# Altium PCB RK_NVR_DEMO1_RK3588_LP4XD200P232SD8_V21_20211228_final_lint.PcbDoc (part 17 of 29) (continued)
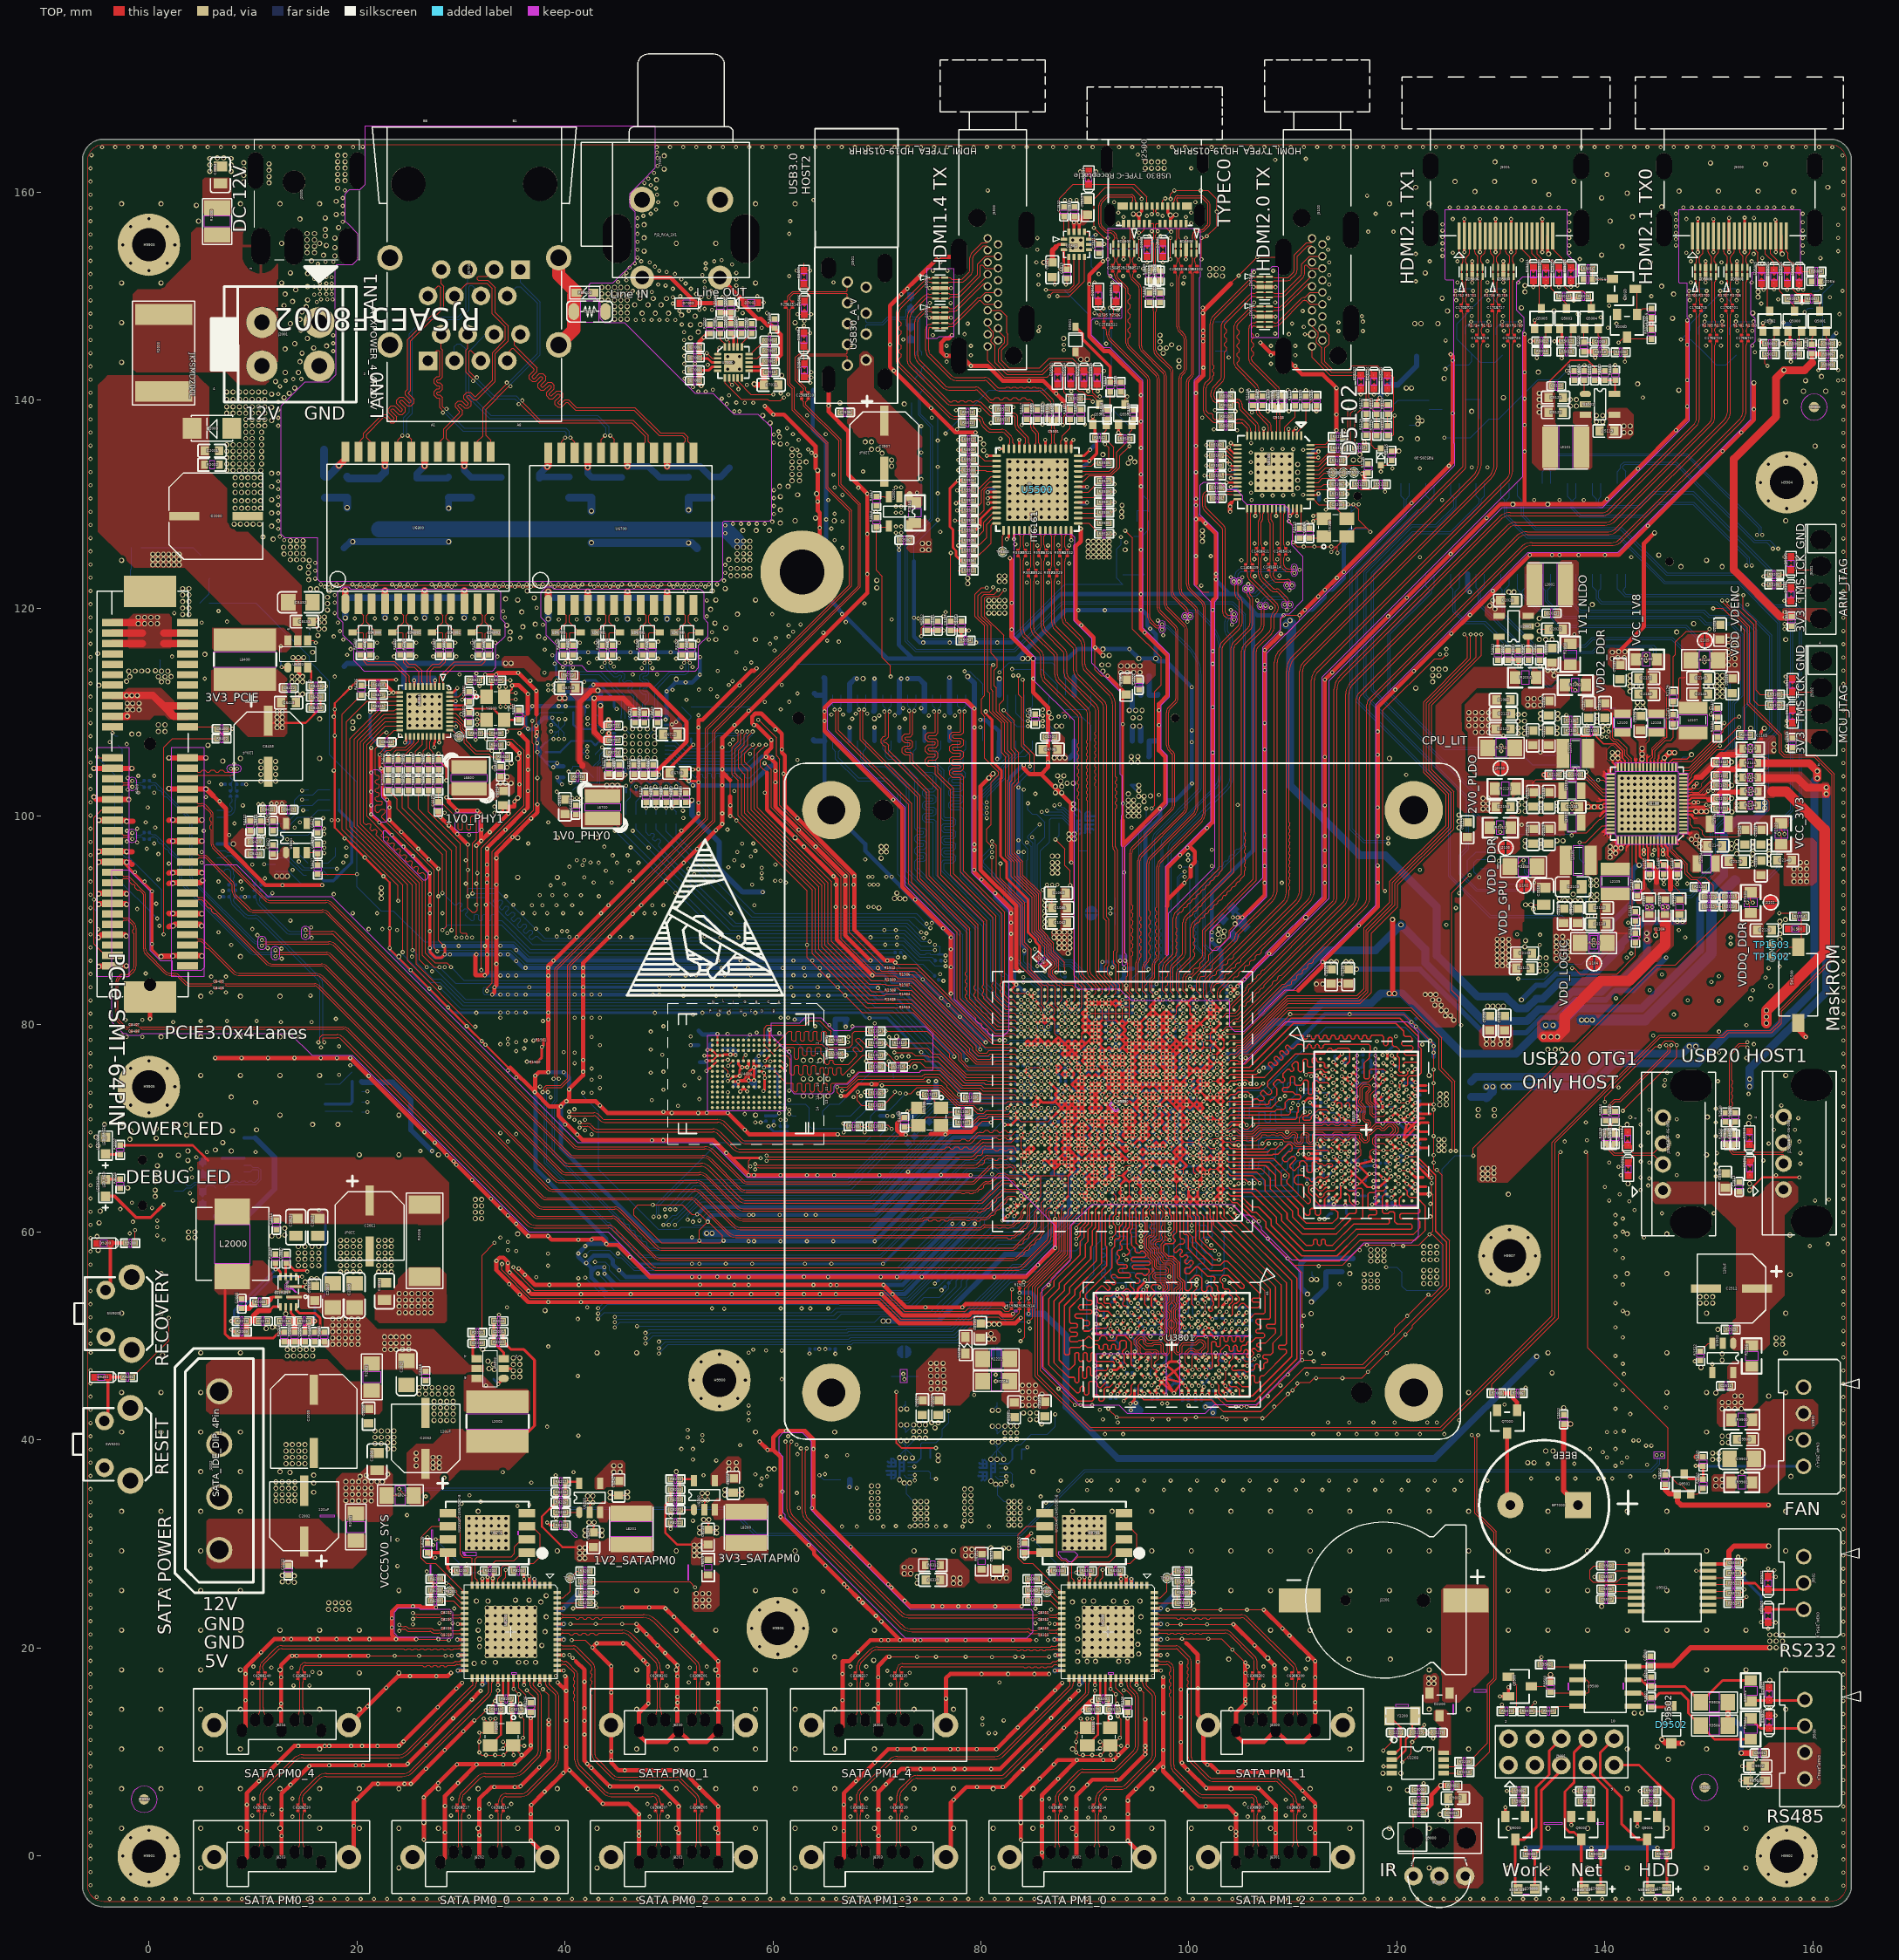
[diagram p0: TOP view]
## Nets (pads, with @x,y where several pads share a name; then routed paths per layer and width w, separated by ;. In a path a pad name is that pad's centre, name@x,y a point inside that pad or via, vN(x,y) a via of type N, cw(c..) or ccw(c..) an arc to the next point about the centre after c; other vN are vias at no path point) (continued)
HDMI3_TX_CEC: ED5505.1 J5500.13 R5538.2 | length 26.7
  TOP w0.102: J5500.13@80.646,148.633 81.927,148.633 82.491,148.07 82.491,146.444 82.592,146.342 82.592,145.428 81.983,144.818 81.983,143.802 82.694,143.091 85.64,143.091 86.555,144.006 88.79,144.006 89.399,143.396 90.573,143.396 ED5505.1@91.158,142.812 v4(91.838,142.812) ; v4(91.939,135.776) 92.288,135.427 R5538.2@92.288,133.947
  L4-S1 w0.102: v4(91.838,142.812) 91.939,142.71 v4(91.939,135.776)
  other v3: 91.939,135.776 91.838,142.812
  other v17: 91.939,135.776 91.838,142.812
HDMI3_TX_HPD: R5528.1 U5500.23 | length 14.7
  TOP w0.102: U5500.23@89.362,132.157 89.845,132.157 90.415,132.728 92.532,132.728 93.362,133.558 93.362,134.658 v4(94.276,135.573) ; R5528.1@89.545,140.145 90.459,140.145 v4(90.751,139.853)
  BOTTOM w0.102: v4(90.751,139.853) 91.069,139.535 92.244,139.535 94.276,137.503 v4(94.276,135.573)
  other v3: 94.276,135.573 90.751,139.853
HDMI3_TX_HPD_PORT: ED5502.1 J5500.19 R5528.2 R5533.1 | length 13.8
  TOP w0.102: J5500.19@80.646,145.168 80.646,143.814 82.232,142.228 86.402,142.228 86.986,142.812 ED5502.1@87.348,142.812 87.647,142.812 87.977,142.482 87.977,140.754 88.587,140.145 R5528.2@88.644,140.145 88.644,140.029 R5533.1@89.603,139.071
HDMI3_TX_SCL: Q5501.2 R5542.2 R5544.1 U5500.25 | length 8.7
  TOP w0.102: U5500.25@89.362,133.157 92.369,133.157 92.752,133.541 92.752,135.486 R5542.2@91.852,136.386 91.852,136.908 92.052,137.108 Q5501.2@92.052,137.671 92.143,137.761 R5544.1@92.143,138.171
HDMI3_TX_SCL_PORT: ED5504.1 J5500.15 Q5501.3 R5543.2 R5544.2 | length 20.7
  TOP w0.102: J5500.15@80.646,147.478 80.646,147.119 81.17,146.595 81.17,146.581 81.198,146.552 81.198,146.094 81.17,146.066 81.17,146.038 80.967,145.834 80.967,145.631 81.373,145.225 81.373,143.599 82.491,142.482 85.945,142.482 86.859,143.396 88.033,143.396 ED5504.1@88.618,142.812 89.069,142.812 89.298,142.583 89.298,140.958 89.399,140.856 89.806,140.856 90.212,140.45 90.72,140.45 91.402,139.767 Q5501.3@91.402,139.571 91.902,139.071 R5544.2@92.143,139.071 92.447,139.376 R5543.2@92.447,140.812
HDMI3_TX_SDA: Q5502.2 R5547.2 R5550.1 U5500.24 | length 9.4
  TOP w0.102: U5500.24@89.362,132.657 89.836,132.657 90.111,132.931 92.43,132.931 93.057,133.558 93.057,135.021 R5547.2@94.32,136.284 94.32,136.937 94.52,137.137 Q5502.2@94.52,137.671 94.52,138.008 R5550.1@94.683,138.171
HDMI3_TX_SDA_PORT: ED5503.1 J5500.16 Q5502.3 R5548.2 R5550.2 | length 21.8
  TOP w0.102: J5500.16@81.646,146.9 81.646,146.679 82.287,146.038 82.287,145.53 81.678,144.92 81.678,143.701 82.592,142.786 85.843,142.786 86.758,143.701 88.688,143.701 89.577,142.812 ED5503.1@89.888,142.812 90.187,142.812 90.517,142.482 90.517,141.161 90.771,140.907 90.771,140.704 91.127,140.348 v4(91.431,140.348) ; R5548.2@93.463,140.812 93.928,140.348 v4(94.073,140.348) 93.87,140.145 Q5502.3@93.87,139.571 94.37,139.071 R5550.2@94.683,139.071
  BOTTOM w0.102: v4(91.431,140.348) v4(94.073,140.348)
  other v3: 91.431,140.348 94.073,140.348
HDMI3_TXCN: C5501.2 L5500.4 R5522.1 U5500.32 | length 2.8
  TOP w0.076: U5500.32@87.187,135.332 87.187,135.773 87.077,135.884 87.077,136.728 cw(c87.454,136.728) C5501.2@87.187,136.995 cw(c87.454,137.262) 87.077,137.262 87.077,137.669 cw(c87.539,137.669) L5500.4@87.212,137.996
HDMI3_TXCN_PORT: ED5501.5 ED5501.6 J5500.12 L5500.3 R5522.2 | length 25.5
  TOP w0.076: J5500.12@81.646,149.21 80.334,149.21 79.951,149.594 79.838,149.594 77.323,147.079 76.928,147.079 76.778,146.929 ED5501.6@76.527,146.929 ED5501.5@75.652,146.929 75.3,146.929 75.228,147.001 75.12,147.001 ccw(c75.12,146.853) 74.972,146.853 74.972,144.818 ccw(c75.581,144.818) 75.15,144.387 77.182,142.355 ccw(c77.613,142.786) 77.613,142.177 80.374,142.177 cw(c80.374,141.483) 80.865,141.974 81.576,141.262 ccw(c81.821,141.508) 81.822,141.161 82.375,141.161 82.464,141.25 82.692,141.25 82.781,141.161 83.01,141.161 83.099,141.25 83.327,141.25 83.416,141.161 83.645,141.161 83.734,141.25 83.962,141.25 84.051,141.161 84.28,141.161 84.369,141.25 84.597,141.25 84.686,141.161 84.915,141.161 85.004,141.25 85.232,141.25 85.321,141.161 85.539,141.161 cw(c85.538,140.483) 86.017,140.963 86.033,140.947 86.848,140.132 86.874,140.106 cw(c86.505,139.738) 87.026,139.739 87.026,139.637 ccw(c87.626,139.637) 87.202,139.213 R5522.2@87.343,139.071
HDMI3_TXCP: C5501.1 L5500.2 R5519.1 U5500.33 | length 2.8
  TOP w0.076: L5500.2@86.662,137.996 cw(c86.335,137.669) 86.797,137.669 86.797,137.262 cw(c86.42,137.262) C5501.1@86.687,136.995 cw(c86.42,136.728) 86.797,136.728 86.797,135.884 86.687,135.773 U5500.33@86.687,135.332
HDMI3_TXCP_PORT: ED5501.4 ED5501.7 J5500.10 L5500.1 R5519.2 | length 25.6
  TOP w0.076: J5500.10@81.646,150.365 80.438,150.365 79.946,149.873 79.722,149.873 77.207,147.358 76.938,147.358 76.867,147.429 ED5501.7@76.527,147.429 ED5501.4@75.652,147.429 75.348,147.429 75.199,147.28 75.12,147.28 ccw(c75.12,146.853) 74.693,146.853 74.693,144.818 ccw(c75.581,144.817) 74.953,144.189 76.985,142.157 ccw(c77.613,142.786) 77.613,141.897 80.374,141.897 cw(c80.374,141.483) 80.667,141.776 81.379,141.065 ccw(c81.821,141.508) 81.822,140.881 85.539,140.881 cw(c85.538,140.483) 85.82,140.765 85.837,140.748 86.65,139.935 86.676,139.909 cw(c86.505,139.738) 86.747,139.738 86.747,139.637 cw(c86.147,139.637) 86.571,139.213 R5519.2@86.429,139.071
HDMI_TX0_REXT: R1708.1 U1000.AM2 | length 0.9
  TOP w0.089: U1000.AM2@103.691,82.006 v4(104.016,82.331)
  BOTTOM w0.089: R1708.1@103.598,82.491 103.856,82.491 v4(104.016,82.331)
  other v3: 104.016,82.331
HDMI_TX1_REXT: R1717.1 U1000.AN1 | length 0.9
  TOP w0.089: U1000.AN1@104.341,82.656 v4(104.666,82.981)
  BOTTOM w0.089: v4(104.666,82.981) 104.683,82.999 R1717.1@105.071,82.999
  other v3: 104.666,82.981
HDMITX0_CEC_M0: R5011.1 U1000.AK24 | length 159.9
  TOP w0.102: v4(89.065,81.031) U1000.AK24@89.391,80.706 ; R5011.1@155.396,144.412 155.396,143.541 v4(155.643,143.294)
  L4-S1 w0.102: v4(152.087,87.719) 151.68,88.126 151.68,88.43 152.29,89.04 152.29,92.291 153.509,93.51 153.509,98.065 154.525,99.081 154.525,109.454 153.915,110.064 153.915,119.418 152.188,121.146 152.188,132.728 156.049,136.589 156.049,142.888 v4(155.643,143.294)
  L6-S2 w0.102: v4(85.64,99.2) 86.25,99.2 86.351,99.302 98.221,99.302 98.805,99.886 113.842,99.886 116.814,102.858 123.386,102.858 124.451,101.792 124.451,98.845 130.156,93.14 130.156,93.137 130.494,92.799 134.527,92.799 135.018,92.308 135.018,91.8 135.746,91.072 139.201,91.072 143.265,87.008 151.375,87.008 v4(152.087,87.719)
  BOTTOM w0.089: v4(89.065,81.031) 89.315,81.031 89.704,81.42 89.704,83.274 89.425,83.554 89.425,84.081
  BOTTOM w0.102: v4(85.64,99.2) 84.493,98.053 84.493,97.909 85.031,97.371 85.031,92.698 85.335,92.393 85.335,88.938 86.148,88.126 86.148,87.414 87.774,85.789 88.587,85.789 89.425,84.951 89.425,84.081
  other v3: 89.065,81.031 152.087,87.719 85.64,99.2 155.643,143.294
  other v12: 152.087,87.719 85.64,99.2
  other v17: 152.087,87.719 155.643,143.294
HDMITX0_HPDIN_M0: Q5006.3 R5000.2 U1000.B26 | length 198.5
  TOP w0.102: v4(83.811,49.518) 84.218,49.924 84.218,54.623 87.723,58.128 87.723,61.735 87.78,61.792 87.78,62.195 U1000.B26@88.091,62.506
  L4-S1 w0.102: v4(142.435,42.507) 142.435,51.753 151.375,60.694 151.375,84.964 152.747,86.335 152.747,92.139 154.728,94.12 154.728,98.692 154.931,98.895 154.931,109.766 154.322,110.376 154.322,122.313 153.204,123.431 153.204,132.118 161.84,140.754 161.84,148.07 161.434,148.476 v4(159.199,148.476)
  L6-S2 w0.102: v4(83.811,49.518) 84.827,49.518 90.212,44.133 90.212,42.609 91.479,41.342 126.232,41.342 127.398,42.507 v4(142.435,42.507)
  BOTTOM w0.102: R5000.2@157.776,148.215 158.937,148.215 v4(159.199,148.476) 159.587,148.865 Q5006.3@160.011,148.865
  other v3: 142.435,42.507 83.811,49.518 159.199,148.476
  other v12: 142.435,42.507 83.811,49.518
  other v17: 142.435,42.507 159.199,148.476
HDMITX0_SCL_M0: R5003.1 U1000.AJ28 | length 154.3
  TOP w0.102: v4(80.56,121.958) 80.079,121.958 79.443,121.322 79.443,119.215 80.357,118.301 80.357,111.595 80.052,111.29 80.052,109.868 80.357,109.563 80.357,105.55 81.678,104.229 81.678,103.975 80.967,103.264 80.967,99.2 80.56,98.794 80.56,97.574 v4(81.068,97.066) ; v4(86.466,79.731) U1000.AJ28@86.791,80.056 ; R5003.1@157.795,144.393 157.795,143.784 v4(157.878,143.701)
  L4-S1 w0.102: v4(153.712,120.333) 153.915,120.536 153.915,121.857 152.595,123.178 152.595,132.525 157.878,137.808 v4(157.878,143.701)
  L6-S2 w0.102: v4(80.56,121.958) 81.17,121.349 93.159,121.349 93.667,120.841 96.207,120.841 100.677,116.37 107.891,116.37 108.5,115.761 122.927,115.761 123.639,115.05 127.804,115.05 129.277,116.523 129.785,116.523 134.408,121.146 149.75,121.146 150.766,120.13 153.509,120.13 v4(153.712,120.333)
  BOTTOM w0.089: 85.418,84.081 85.897,83.602 85.897,81.409 86.141,81.164 86.141,80.208 86.466,79.883 v4(86.466,79.731)
  BOTTOM w0.102: v4(81.068,97.066) 80.052,96.05 80.052,95.339 82.186,93.206 82.186,92.088 83.303,90.97 83.303,86.195 85.418,84.081
  other v3: 86.466,79.731 81.068,97.066 153.712,120.333 80.56,121.958 157.878,143.701
  other v12: 153.712,120.333 80.56,121.958
  other v17: 153.712,120.333 157.878,143.701
HDMITX0_SDA_M0: R5008.1 U1000.AJ25 | length 160.1
  TOP w0.102: U1000.AJ25@88.74,80.056 v4(89.065,80.381) ; v4(160.519,142.888) 160.984,143.352 R5008.1@160.984,143.396
  L4-S1 w0.102: v4(152.087,88.329) 152.493,88.735 152.493,92.207 153.712,93.426 153.712,97.981 154.728,98.997 154.728,109.538 154.119,110.148 154.119,122.085 152.899,123.304 152.899,132.245 160.201,139.546 160.201,142.569 v4(160.519,142.888)
  L6-S2 w0.102: v4(84.929,97.981) 84.929,98.997 85.539,99.606 98.239,99.606 98.721,100.089 113.758,100.089 116.73,103.061 123.47,103.061 124.655,101.876 124.655,98.93 130.36,93.225 130.36,93.221 130.578,93.002 134.611,93.002 135.221,92.393 135.221,91.885 135.831,91.275 139.285,91.275 143.349,87.211 150.969,87.211 v4(152.087,88.329)
  BOTTOM w0.089: v4(89.065,80.381) 89.907,81.223 89.907,83.528 89.679,83.757 89.679,84.081
  BOTTOM w0.102: v4(84.929,97.981) 85.234,97.676 85.234,92.799 85.539,92.494 85.539,89.04 86.397,88.182 86.397,87.471 87.875,85.992 88.688,85.992 89.679,85.001 89.679,84.081
  other v3: 89.065,80.381 152.087,88.329 84.929,97.981 160.519,142.888
  other v12: 152.087,88.329 84.929,97.981
  other v17: 152.087,88.329 160.519,142.888
HDMITX1_CEC_M2: R1912.2 R5023.1 | length 106.3
  TOP w0.102: v4(133.445,144.054) R5023.1@133.445,144.688
  L4-S1 w0.102: v4(120.895,103.975) 122.927,106.007 122.927,122.06 129.113,128.245 129.113,130.404 135.932,137.223 135.932,141.567 v4(133.445,144.054)
  L6-S2 w0.102: v4(84.116,102.553) 85.031,101.638 92.041,101.638 93.768,103.366 99.356,103.366 100.169,104.178 120.692,104.178 v4(120.895,103.975)
  BOTTOM w0.102: v4(84.116,102.553) 84.015,102.451 84.015,97.371 84.523,96.863 84.523,95.847 84.421,95.746 84.421,92.698 84.929,92.19 84.929,88.735 85.742,87.922 85.742,87.211 87.469,85.484 87.469,85.382 87.672,85.179 87.672,84.671 87.828,84.515 R1912.2@88.079,84.515
  other v3: 84.116,102.553 120.895,103.975 133.445,144.054
  other v12: 84.116,102.553 120.895,103.975
  other v17: 120.895,103.975 133.445,144.054
HDMITX1_CEC_M2SOC: R1912.1 U1000.AH26 | length 5.6
  TOP w0.102: U1000.AH26@88.091,79.405 v4(88.415,79.731)
  BOTTOM w0.089: R1912.1@88.079,84.015 88.079,83.35 88.74,82.689 88.74,81.546 88.55,81.356 88.281,81.356 88.091,81.166 88.091,80.056 v4(88.415,79.731)
  other v3: 88.415,79.731
HDMITX1_HPDIN_M0: Q5008.3 R5014.2 U1000.C24 | length 226.1
  TOP w0.102: U1000.C24@89.391,63.156 v4(89.716,62.831) ; v4(141.317,145.53) 141.842,146.055 Q5008.3@142.13,146.055 142.293,145.892 R5014.2@144.467,145.892
  L4-S1 w0.102: v4(47.743,49.797) 48.15,50.203 48.15,59.373 46.829,60.694 46.829,84.062 58.767,96 58.767,103.823 60.342,105.398 60.342,107.43 60.647,107.734 60.647,109.258 60.24,109.665 60.24,110.842 65.667,116.269 66.438,116.269 73.855,123.686 73.855,127.038 74.972,128.156 74.972,138.011 v4(75.277,138.316)
  L6-S2 w0.102: v4(75.277,138.316) 76.699,139.738 85.234,139.738 85.539,140.043 89.806,140.043 90.111,140.348 90.822,140.348 91.431,139.738 98.035,139.738 99.864,137.91 101.693,137.91 101.896,138.113 101.896,138.926 102.709,139.738 118.863,139.738 119.879,140.754 133.189,140.754 136.161,143.726 138.65,143.726 138.777,143.599 139.691,143.599 141.317,145.225 v4(141.317,145.53)
  BOTTOM w0.089: 86.91,58.865 87.164,59.119 ; 89.044,60.871 89.526,60.871 89.933,61.278 89.933,62.421 89.716,62.638 v4(89.716,62.831)
  BOTTOM w0.102: v4(47.743,49.797) 48.277,50.33 67.175,50.33 67.289,50.445 77.304,50.445 83.286,56.426 84.472,56.426 86.91,58.865 ; 87.164,59.119 88.917,60.871 89.044,60.871
  other v3: 47.743,49.797 89.716,62.831 75.277,138.316 141.317,145.53
  other v12: 75.277,138.316 141.317,145.53
  other v17: 47.743,49.797 75.277,138.316
HDMITX1_SCL_M1: R5015.1 U1000.AG26 | length 128.6
  TOP w0.102: v4(82.287,121.755) 81.678,121.146 80.56,121.146 80.357,120.942 80.357,119.215 82.186,117.386 82.186,111.189 81.779,110.782 81.779,110.071 82.897,108.954 82.897,106.414 83.303,106.007 83.303,103.366 82.999,103.061 82.999,96.372 83.811,95.56 83.811,94.239 85.542,92.508 85.542,89.094 86.199,88.437 86.199,88.278 86.783,87.694 86.783,86.881 87.469,86.195 87.469,85.179 v4(87.266,84.976) ; U1000.AG26@88.091,78.756 v4(88.415,79.081) ; v4(135.849,144.024) R5015.1@135.849,144.647
  L4-S1 w0.102: v4(124.147,115.558) 123.232,116.472 123.232,121.958 129.328,128.054 129.328,130.188 136.237,137.097 136.237,141.872 135.849,142.26 v4(135.849,144.024)
  L6-S2 w0.089: 87.441,83.7 87.265,83.524 87.265,80.444 87.652,80.057 87.93,80.057 88.091,79.896 88.091,79.579 88.415,79.254 v4(88.415,79.081)
  L6-S2 w0.102: v4(82.287,121.755) 82.389,121.654 90.314,121.654 90.517,121.857 95.503,121.857 100.684,116.675 108.017,116.675 108.627,116.066 123.639,116.066 v4(124.147,115.558) ; v4(87.266,84.976) 87.441,84.801 87.441,83.7
  other v3: 88.415,79.081 87.266,84.976 124.147,115.558 82.287,121.755 135.849,144.024
  other v12: 88.415,79.081 87.266,84.976 124.147,115.558 82.287,121.755
  other v17: 124.147,115.558 135.849,144.024
HDMITX1_SDA_M1: R5020.1 U1000.AH25 | length 103.8
  TOP w0.102: U1000.AH25@88.74,79.405 v4(89.065,79.081) ; v4(118.863,92.799) 118.66,93.002 118.66,110.173 123.639,115.151 124.35,115.151 v4(124.756,115.558) ; v4(141.927,143.701) 141.97,143.744 R5020.1@141.97,144.615
  L4-S1 w0.102: v4(124.756,115.558) 123.791,116.523 123.791,122.111 129.633,127.953 129.633,130.086 139.183,139.637 139.183,140.958 v4(141.927,143.701)
  L6-S2 w0.089: 88.756,81.552 88.756,80.253 88.953,80.056 89.2,80.056 89.391,79.865 89.391,79.406 v4(89.065,79.081) ; 88.756,81.553 88.756,84.081
  L6-S2 w0.102: 88.756,84.081 88.756,85.958 95.826,93.028 118.635,93.028 v4(118.863,92.799)
  other v3: 89.065,79.081 118.863,92.799 124.756,115.558 141.927,143.701
  other v12: 89.065,79.081 118.863,92.799
  other v17: 124.756,115.558 141.927,143.701
HOST0_REXT: R1403.1 U1000.AG9 | length 0.9
  TOP w0.102: U1000.AG9@99.141,78.756 v4(99.466,79.081)
  BOTTOM w0.089: v4(99.466,79.081) 99.491,79.056 R1403.1@99.919,79.056
  other v3: 99.466,79.081
HOST1_REXT: R1404.1 U1000.AH9 | length 0.9
  TOP w0.102: U1000.AH9@99.141,79.405 v4(99.466,79.73)
  BOTTOM w0.089: v4(99.466,79.73) 99.491,79.755 R1404.1@99.919,79.755
  other v3: 99.466,79.73
I2C0_SCL_M2: R1118.2 U1000.W30 U2200.A3 U2201.A3 | length 81.9
  TOP w0.102: v4(85.166,73.881) U1000.W30@85.491,73.556
  L4-S1 w0.102: v4(61.231,70.803) 61.739,70.295 61.739,42.779 65.184,39.334 v4(65.184,38.443)
  L6-S2 w0.089: 82.09,72.925 82.199,72.925 82.219,72.906 84.65,72.906 84.841,73.097 84.841,73.556 v4(85.166,73.881)
  L6-S2 w0.102: v4(61.231,70.803) 61.256,70.777 61.891,70.777 63.542,72.428 69.232,72.428 69.791,72.987 75.988,72.987 76.699,72.276 78.528,72.276 79.177,72.925 82.09,72.925 ; v4(65.184,38.443) 65.488,38.138 68.47,38.138 69.181,38.85 73.651,38.85 73.855,38.646 73.855,38.138 73.651,37.935 73.651,37.5 v4(73.601,37.449) 73.826,37.224 82.291,37.224 v4(82.389,37.322)
  BOTTOM w0.102: v4(61.231,70.803) 61.358,70.676 R1118.2@61.358,70.164 ; U2201.A3@72.984,37.449 v4(73.601,37.449) ; U2200.A3@81.773,37.322 v4(82.389,37.322)
  other v3: 82.389,37.322 73.601,37.449 65.184,38.443 61.231,70.803 85.166,73.881
  other v12: 82.389,37.322 73.601,37.449 65.184,38.443 61.231,70.803 85.166,73.881
  other v17: 65.184,38.443 61.231,70.803
I2C0_SDA_M2: R1117.2 U1000.W29 U2200.B1 U2201.B1 | length 85.8
  TOP w0.102: v4(85.816,73.881) U1000.W29@86.141,73.556
  L4-S1 w0.102: v4(60.723,70.803) 61.485,70.041 61.485,42.674 64.831,39.327 64.831,36.916 v4(65.015,36.732)
  L6-S2 w0.089: 82.09,72.722 82.133,72.722 82.14,72.716 85.11,72.716 85.491,73.097 85.491,73.556 v4(85.816,73.881)
  L6-S2 w0.102: v4(60.723,70.803) 61.104,70.422 61.942,70.422 63.745,72.225 69.638,72.225 70.197,72.784 75.683,72.784 76.496,71.971 78.731,71.971 79.482,72.722 82.09,72.722 ; v4(65.015,36.732) 65.406,37.122 71.924,37.122 72.737,36.31 73.474,36.31 v4(73.651,36.132) 74.693,36.132 75.379,36.818 81.627,36.818 v4(82.44,36.005)
  BOTTOM w0.102: R1117.2@60.723,70.164 v4(60.723,70.803) ; U2201.B1@72.584,36.649 72.857,36.377 73.406,36.377 v4(73.651,36.132) ; U2200.B1@81.373,36.522 81.645,36.25 82.195,36.25 v4(82.44,36.005)
  other v3: 82.44,36.005 73.651,36.132 65.015,36.732 60.723,70.803 85.816,73.881
  other v12: 82.44,36.005 73.651,36.132 65.015,36.732 60.723,70.803 85.816,73.881
  other v17: 65.015,36.732 60.723,70.803
I2C2_SCL_M0: R1112.2 U1000.T28 U2202.A3 | length 85.8
  TOP w0.102: U1000.T28@86.791,71.606 87.015,71.83 v4(87.117,71.932)
  L4-S1 w0.102: v4(60.088,70.269) 59.961,70.396 59.961,73.089 60.672,73.8 60.672,76.823 60.037,77.458 60.037,84.493 60.215,84.671 60.215,90.031 60.723,90.539 v4(60.723,93.79)
  L6-S2 w0.089: 82.09,72.308 82.199,72.308 82.219,72.327 86.646,72.327 87.04,71.932 v4(87.117,71.932)
  L6-S2 w0.102: v4(60.088,70.269) 60.342,70.015 62.348,70.015 64.152,71.819 69.994,71.819 70.553,72.378 75.074,72.378 76.09,71.362 78.935,71.362 79.881,72.308 82.09,72.308 ; v4(60.723,93.79) 62.31,95.377 70.641,95.377 73.956,98.692 83.303,98.692 84.624,100.013 85.437,100.013 v4(85.843,100.419)
  BOTTOM w0.102: v4(60.088,70.269) R1112.2@60.088,70.68 ; v4(85.843,100.419) 86.148,100.114 87.798,100.114 88.735,99.178 U2202.A3@88.847,99.178
  other v3: 60.088,70.269 87.117,71.932 60.723,93.79 85.843,100.419
  other v12: 60.088,70.269 87.117,71.932 60.723,93.79 85.843,100.419
  other v17: 60.088,70.269 60.723,93.79
I2C2_SDA_M0: R1111.2 U1000.T31 U2202.B1 | length 86.9
  TOP w0.102: v4(84.517,71.932) 84.842,71.607 U1000.T31@84.841,71.606
  L4-S1 w0.102: v4(58.818,70.549) 59.707,71.438 59.707,73.194 60.418,73.905 60.418,76.67 59.123,77.966 59.123,89.344 60.491,90.713 60.491,93.513 v4(60.215,93.79)
  L6-S2 w0.089: 82.09,71.606 84.191,71.606 v4(84.517,71.932)
  L6-S2 w0.102: v4(58.818,70.549) 58.818,70.422 59.427,69.812 62.552,69.812 64.304,71.565 70.121,71.565 70.73,72.174 74.769,72.174 75.887,71.057 80.027,71.057 80.576,71.606 82.09,71.606 ; v4(60.215,93.79) 62.072,95.646 67.507,95.646 70.146,98.286 72.229,98.286 73.296,99.352 83.151,99.352 84.319,100.521 84.929,100.521 85.843,101.435 87.266,101.435 v4(87.571,101.13)
  BOTTOM w0.102: v4(58.818,70.549) 58.949,70.68 R1111.2@59.326,70.68 ; v4(87.571,101.13) 87.571,101.029 87.774,100.826 88.002,100.826 88.561,100.267 88.958,100.267 U2202.B1@89.247,99.978
  other v3: 58.818,70.549 84.517,71.932 60.215,93.79 87.571,101.13
  other v12: 58.818,70.549 84.517,71.932 60.215,93.79 87.571,101.13
  other v17: 58.818,70.549 60.215,93.79
I2C3_SCL_M0: R1500.2 U1000.G27 U7000.1 | length 150.8
  TOP w0.102: v4(36.339,76.391) 36.39,76.34 R1500.2@36.825,76.34 ; U7000.1@54.701,144.425 54.701,144.868 v4(54.855,145.022) ; U1000.G27@87.441,65.756 v4(87.724,66.039)
  L4-S1 w0.102: v4(36.339,76.391) 37.355,77.407 37.355,87.186 44.289,94.12 47.718,94.12 54.246,100.648 54.246,109.125 62.914,117.793 63.752,117.793 67.327,121.368 67.327,132.339 59.217,140.45 56.583,140.45 55.059,141.974 55.059,144.818 v4(54.855,145.022)
  L6-S2 w0.089: 82.09,63.806 84.65,63.806 84.841,63.997 84.841,64.265 85.032,64.456 85.3,64.456 85.52,64.676 85.52,65.106 85.908,65.494 86.338,65.494 86.883,66.039 v4(87.724,66.039)
  L6-S2 w0.102: v4(36.339,76.391) 36.579,76.151 40.516,76.151 49.42,67.247 56.151,67.247 56.862,67.958 60.266,67.958 64.417,63.806 82.09,63.806
  other v3: 87.724,66.039 36.339,76.391 54.855,145.022
  other v12: 87.724,66.039 36.339,76.391
  other v17: 36.339,76.391 54.855,145.022
I2C3_SDA_M0: R1501.2 U1000.G29 U7000.19 | length 146.6
  TOP w0.102: v4(36.974,78.423) 37.025,78.474 R1501.2@37.435,78.474 ; v4(55.567,145.834) 55.802,145.599 U7000.19@55.802,145.125 ; U1000.G29@86.141,65.756 v4(86.465,66.081)
  L4-S1 w0.102: v4(36.974,78.423) 36.974,87.191 44.156,94.374 47.613,94.374 53.992,100.753 53.992,109.23 62.808,118.047 63.647,118.047 67.073,121.473 67.073,132.234 59.162,140.145 56.6,140.145 54.855,141.889 54.855,143.958 54.401,144.412 54.401,145.177 55.059,145.834 v4(55.567,145.834)
  L6-S2 w0.089: 82.09,66.891 82.491,66.891 83.659,65.723 86.108,65.723 v4(86.465,66.081)
  L6-S2 w0.102: v4(36.974,78.423) 40.4,78.423 50.052,68.771 71.061,68.771 72.94,66.891 82.09,66.891
  other v3: 86.465,66.081 36.974,78.423 55.567,145.834
  other v12: 86.465,66.081 36.974,78.423
  other v17: 36.974,78.423 55.567,145.834
I2C4_SCL_M3_MIPI: R1913.2 U1000.A27 U4700.48 | length 129.8
  TOP w0.102: R1913.2@83.71,55.178 v4(84.116,55.177) 84.142,55.203 84.493,55.203 87.52,58.23 87.52,61.456 87.475,61.5 87.475,61.822 U1000.A27@87.441,61.856
  L4-S1 w0.102: v4(49.039,49.467) 48.658,49.848 48.658,59.576 47.439,60.795 47.439,83.858 58.107,94.526 v4(58.919,94.526)
  L6-S2 w0.102: v4(58.919,94.526) 59.935,94.526 61.739,96.33 67.378,96.33 69.943,98.895 71.597,98.895 73.019,100.318 v4(80.56,100.318)
  BOTTOM w0.102: v4(49.039,49.467) 49.293,49.721 67.327,49.721 67.497,49.891 77.555,49.891 82.867,55.203 84.091,55.203 v4(84.116,55.177) ; v4(80.56,100.318) 79.951,100.927 79.951,101.842 81.983,103.874 81.983,104.788 83.37,106.175 U4700.48@83.37,107.236
  other v3: 49.039,49.467 84.116,55.177 58.919,94.526 80.56,100.318
  other v12: 58.919,94.526 80.56,100.318
  other v17: 49.039,49.467 58.919,94.526
I2C4_SDA_M3_MIPI: R1914.2 U1000.A26 U4700.46 | length 131.9
  TOP w0.102: R1914.2@84.599,53.146 v4(84.599,53.658) 84.599,54.7 87.926,58.027 87.926,61.65 88.091,61.815 U1000.A26@88.091,61.856
  L4-S1 w0.102: v4(49.039,48.832) 49.471,49.264 49.471,49.924 48.963,50.432 48.963,59.576 47.743,60.795 47.743,83.757 58.005,94.018 v4(58.919,94.018)
  L6-S2 w0.102: v4(58.919,94.018) 59.834,94.018 61.84,96.025 67.479,96.025 70.045,98.59 71.823,98.59 73.042,99.81 v4(80.56,99.81)
  BOTTOM w0.102: v4(49.039,48.832) 49.674,49.467 67.454,49.467 67.624,49.637 77.733,49.637 81.373,53.277 84.218,53.277 v4(84.599,53.658) ; v4(80.56,99.81) 79.747,100.622 79.747,101.943 81.678,103.874 81.678,104.89 82.57,105.781 U4700.46@82.57,107.236
  other v3: 49.039,48.832 84.599,53.658 58.919,94.018 80.56,99.81
  other v12: 58.919,94.018 80.56,99.81
  other v17: 49.039,48.832 58.919,94.018
I2C5_SCL_M3_MIPI: R1916.2 U1000.E26 U4700.47 | length 140.8
  TOP w0.102: v4(87.766,64.131) U1000.E26@88.091,64.456
  L4-S1 w0.102: v4(43.184,51.664) 46.626,55.106 46.626,58.458 45,60.084 45,84.874 55.871,95.746 v4(56.278,95.746)
  L6-S2 w0.102: v4(56.278,95.746) 56.151,95.873 56.151,97.854 63.593,105.296 79.036,105.296 82.897,109.157 v4(84.523,109.157)
  BOTTOM w0.089: 85.126,61.424 86.034,62.332 86.034,62.857 86.332,63.156 86.6,63.156 86.79,63.346 86.79,63.614 86.983,63.806 87.25,63.806 87.44,63.997 87.44,64.05 87.521,64.131 v4(87.766,64.131)
  BOTTOM w0.102: v4(43.184,51.664) 43.781,52.261 65.633,52.261 66.057,52.685 73.466,52.685 74.515,53.734 76.039,53.734 76.919,54.614 76.919,55.087 R1916.2@76.902,55.105 81.424,59.627 83.71,59.627 85.107,61.024 85.107,61.405 85.126,61.424 ; U4700.47@83.37,111.636 83.37,109.878 84.091,109.157 v4(84.523,109.157)
  other v3: 43.184,51.664 87.766,64.131 56.278,95.746 84.523,109.157
  other v12: 56.278,95.746 84.523,109.157
  other v17: 43.184,51.664 56.278,95.746
I2C5_SDA_M3_MIPI: R1915.2 U1000.E27 U4700.45 | length 138.7
  TOP w0.102: v4(87.116,64.131) U1000.E27@87.441,64.456
  L4-S1 w0.102: v4(43.184,52.68) 45.61,55.106 45.61,58.662 44.391,59.881 44.391,85.078 55.871,96.558 v4(56.583,96.558)
  L6-S2 w0.102: v4(56.583,96.558) 56.405,96.736 56.405,97.701 63.695,104.991 79.08,104.991 82.738,108.649 v4(84.523,108.649)
  BOTTOM w0.089: 84.364,61.424 85.513,62.573 85.513,62.987 86.332,63.806 86.6,63.806 86.925,64.131 v4(87.116,64.131)
  BOTTOM w0.102: v4(43.184,52.68) 43.781,53.277 66.666,53.277 66.768,53.175 73.067,53.175 75.632,55.74 R1915.2@76.267,55.74 80.916,60.389 83.507,60.389 84.364,61.246 84.364,61.424 ; U4700.45@82.57,111.636 82.57,109.535 83.456,108.649 v4(84.523,108.649)
  other v3: 43.184,52.68 87.116,64.131 56.583,96.558 84.523,108.649
  other v12: 56.583,96.558 84.523,108.649
  other v17: 43.184,52.68 56.583,96.558
I2C6_SCL_M0: R1115.2 R2209.2 R5502.2 U1000.W31 U2503.6 | length 244.3
  TOP w0.102: v4(77.614,130.086) 77.88,130.353 R5502.2@78.383,130.353 ; v4(84.516,73.881) U1000.W31@84.841,73.556 ; v4(86.555,150) 86.961,150.406 88.587,150.406 89.446,151.266 U2503.6@89.446,153.768 ; R2209.2@126.93,9.064 128.719,10.852 128.719,16.498 129.328,17.107 129.328,31.128 127.499,32.957 127.499,40.17 v4(127.195,40.475)
  L4-S1 w0.102: v4(64.457,48.756) 67.311,51.61 v4(67.311,75.08) 66.133,76.258 66.133,82.842 65.727,83.249 65.727,84.163 66.133,84.57 66.133,88.634 64.914,89.853 64.914,96.838 62.882,98.87 62.882,107.454 63.898,108.47 63.898,112.331 76.395,124.828 76.395,126.25 77.906,127.762 77.906,128.575 77.309,129.172 77.309,129.782 v4(77.614,130.086) 76.903,130.798 76.903,132.626 77.309,133.033 77.309,137.402 78.427,138.519 78.427,140.068 80.84,142.482 84.091,142.482 86.555,144.945 v4(86.555,150)
  L6-S2 w0.089: 82.09,74.205 84.191,74.205 v4(84.516,73.881)
  L6-S2 w0.102: v4(64.457,48.756) 64.888,48.324 65.244,48.324 65.625,48.705 66.235,48.705 66.743,48.197 85.005,48.197 88.155,45.047 88.155,43.142 91.33,39.967 126.687,39.967 v4(127.195,40.475) ; v4(67.311,75.08) 67.8,75.08 68.19,74.689 74.159,74.689 74.388,74.918 76.191,74.918 76.904,74.205 82.09,74.205
  BOTTOM w0.102: R1115.2@64.046,48.756 v4(64.457,48.756)
  other v3: 127.195,40.475 64.457,48.756 84.516,73.881 67.311,75.08 77.614,130.086 86.555,150
  other v12: 127.195,40.475 64.457,48.756 84.516,73.881 67.311,75.08
  other v17: 64.457,48.756 67.311,75.08 77.614,130.086 86.555,150
I2C6_SDA_M0: R1116.2 R2210.2 R5501.2 U1000.V31 U2503.7 | length 246.2
  TOP w0.102: v4(77.715,129.388) R5501.2@78.383,129.388 ; v4(84.516,73.231) U1000.V31@84.841,72.906 ; v4(87.367,150) 88.485,150 89.946,151.461 U2503.7@89.946,153.768 ; R2210.2@126.93,8.061 128.922,10.053 128.922,16.413 129.531,17.023 129.531,31.212 127.703,33.041 127.703,40.374 v4(127.804,40.475)
  L4-S1 w0.102: v4(65.041,48.756) 67.682,51.397 67.682,72.911 v4(67.759,72.987) 67.759,74.613 68.063,74.918 68.063,75.73 67.86,75.934 67.86,78.778 67.454,79.185 66.946,79.185 66.539,79.591 66.539,82.944 66.743,83.147 66.743,84.163 66.539,84.366 66.539,88.634 65.219,89.954 65.219,96.965 63.187,98.997 63.187,107.328 64.101,108.242 64.101,112.103 76.699,124.702 76.699,126.124 78.122,127.546 78.122,128.981 v4(77.715,129.388) 78.02,129.692 78.02,130.29 77.207,131.102 77.207,131.61 77.512,131.915 78.02,131.915 78.731,132.627 78.731,139.942 80.967,142.177 84.218,142.177 86.859,144.818 86.859,149.492 v4(87.367,150)
  L6-S2 w0.089: 82.09,73.555 84.191,73.555 v4(84.516,73.231)
  L6-S2 w0.102: v4(65.041,48.756) 65.295,49.01 66.336,49.01 66.844,48.502 85.081,48.502 88.409,45.174 88.409,43.396 91.635,40.17 126.28,40.17 126.991,40.882 127.398,40.882 v4(127.804,40.475) ; v4(67.759,72.987) 68.063,72.682 69.079,72.682 69.587,73.19 71.111,73.19 71.315,73.394 71.315,73.902 71.442,74.029 74.261,74.029 74.464,73.825 76.166,73.825 77.106,72.886 78.122,72.886 78.792,73.555 82.09,73.555
  BOTTOM w0.102: v4(65.041,48.756) R1116.2@65.476,48.756
  other v3: 127.804,40.475 65.041,48.756 67.759,72.987 84.516,73.231 77.715,129.388 87.367,150
  other v12: 127.804,40.475 65.041,48.756 67.759,72.987 84.516,73.231
  other v17: 65.041,48.756 67.759,72.987 77.715,129.388 87.367,150
I2C_SCL_RTCIC: R2209.1 U2203.6 | length 1.7
  TOP w0.102: U2203.6@124.505,8.628 125.594,8.628 R2209.1@126.03,9.064
I2C_SDA_RTCIC: R2210.1 U2203.5 | length 1.6
  TOP w0.102: U2203.5@124.505,7.978 125.947,7.978 R2210.1@126.03,8.061